# Altium PCB SP7.PcbDoc (part 2 of 4)
Units mm, origin at the board's own origin, x right, y up, seen from the top; angles counter-clockwise.
Board outline 69.1 x 36.6 mm, 6 copper layers (Top, 02_GND, 03_SIG, 04_PWR, 05_SIG, Bottom), stack 1.443 mm thick; 199 components, 178 nets, 906 pads, 778 vias.
Unrouted connection lines stored in the file: 1.
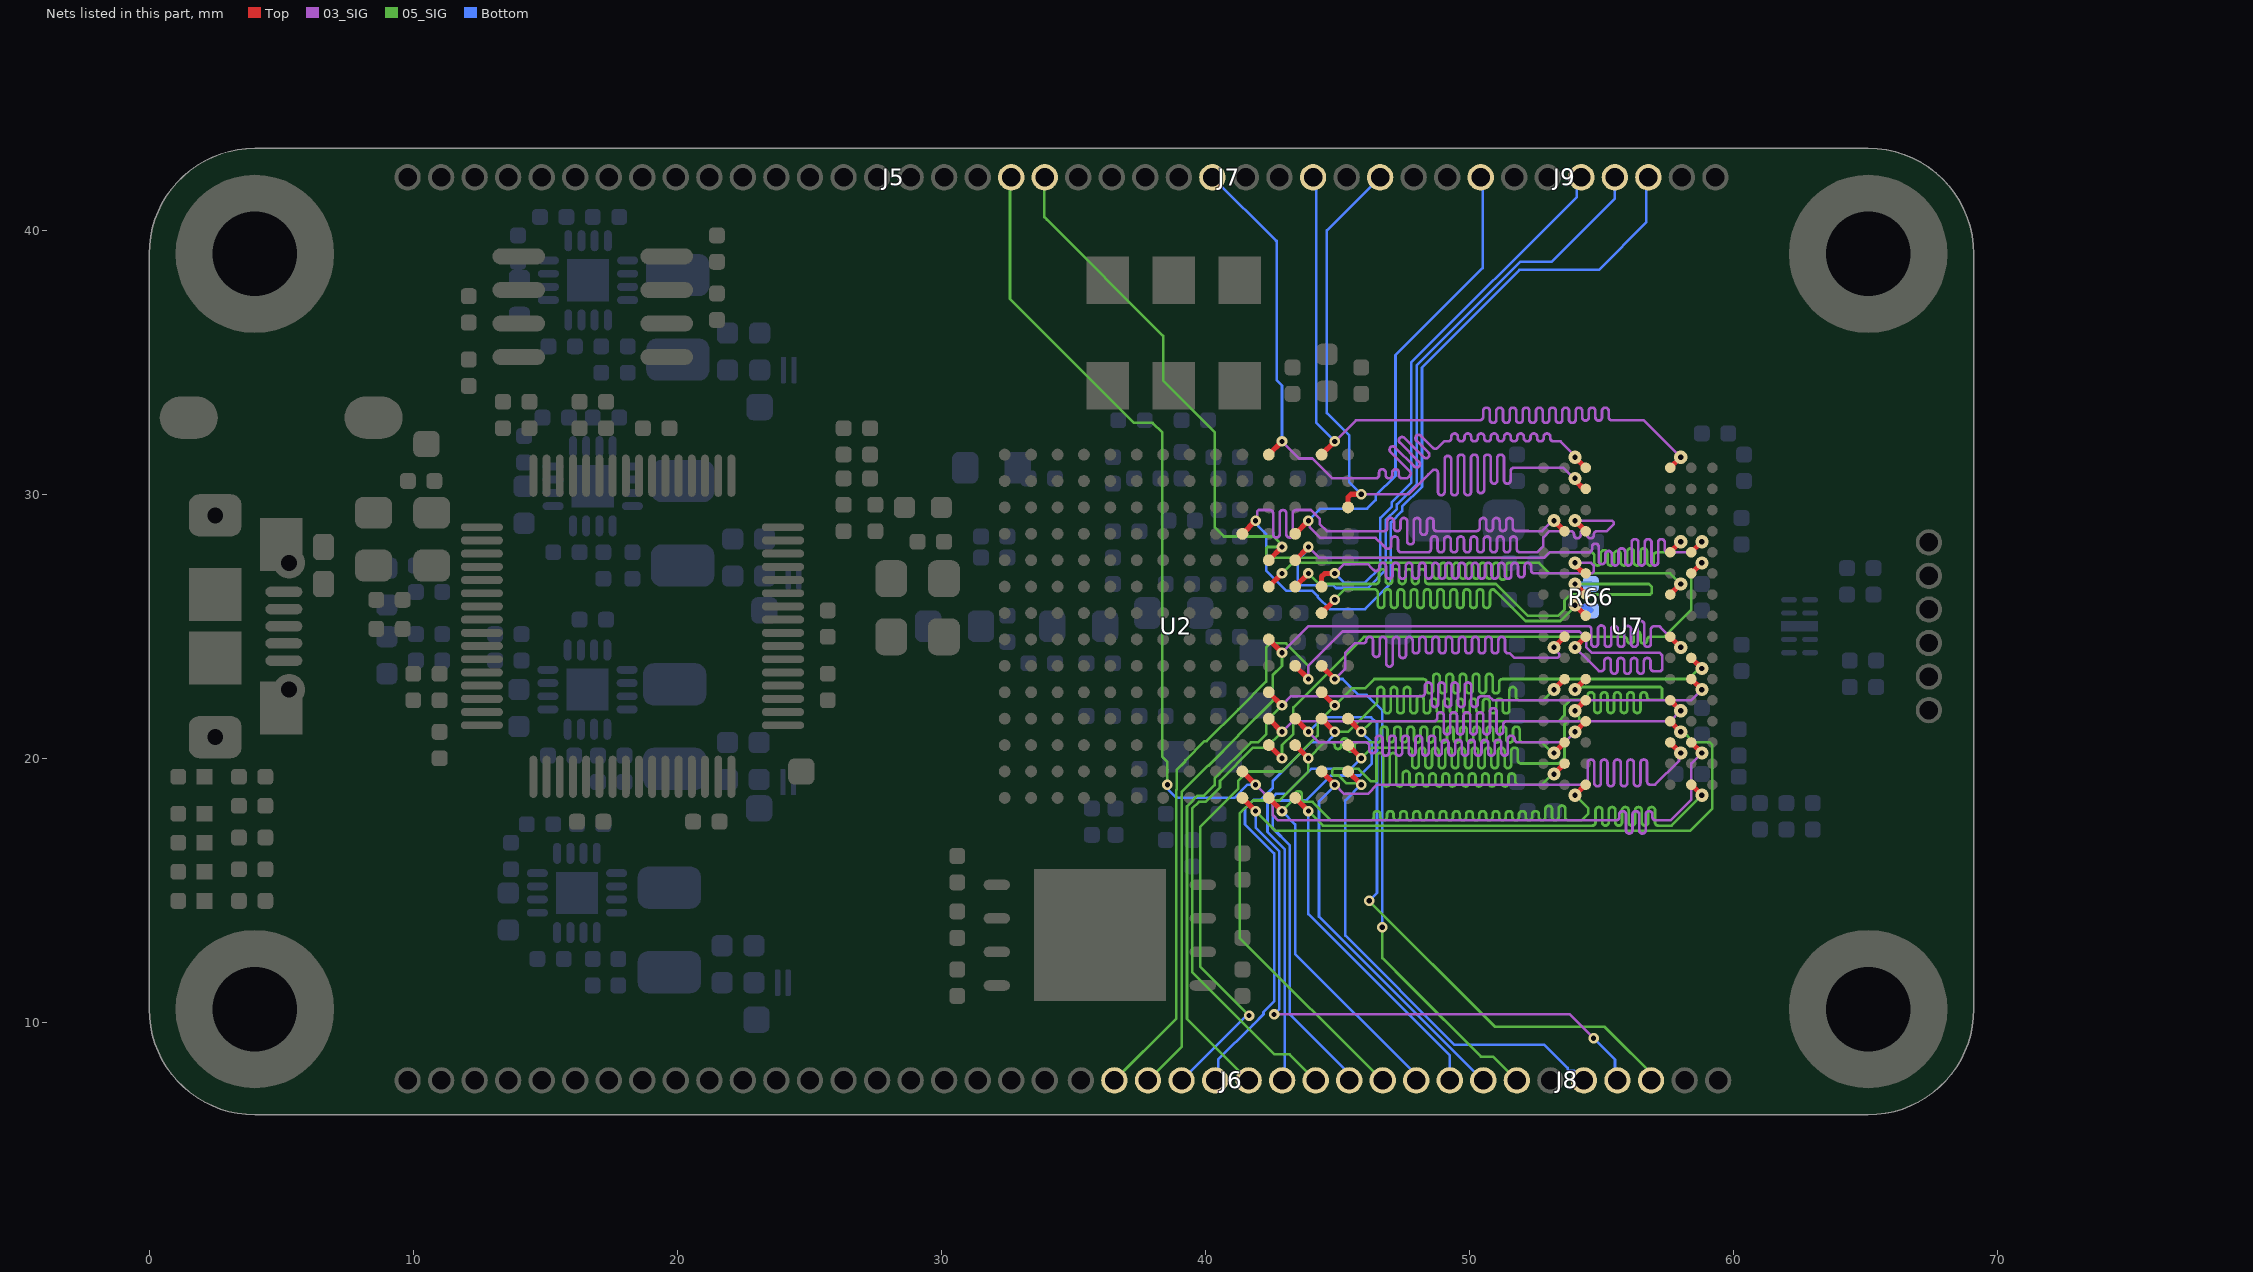
[diagram p6: the nets of this part, all layers, seen from the top]

## Via types
v1: diameter 0.4, hole 0.2, Top to Bottom, tented both sides, 330 vias
v2: diameter 0.5, hole 0.3, Top to Bottom, tented both sides, 183 vias
v3: diameter 0.5/0.5/0.5/0.5 (per signal layer), hole 0.3, Top to Bottom, tented both sides, 138 vias
v4: diameter 0.4/0.5/0.5/0.5 (per signal layer), hole 0.2, Top to Bottom, tented both sides, 91 vias
v5: diameter 0.8, hole 0.5, Top to Bottom, 32 vias
v6: diameter 0.7/0.5/0.5/0.5 (per signal layer), hole 0.5, Top to Bottom, tented both sides, 4 vias

## Nets (pads, with @x,y where several pads share a name; then routed paths per layer and width w, separated by ;. In a path a pad name is that pad's centre, name@x,y a point inside that pad or via, vN(x,y) a via of type N, cw(c..) or ccw(c..) an arc to the next point about the centre after c; other vN are vias at no path point) (continued)
DDR3_A10: J9.5 U2.J2 U7.L7 | length 43.9
  Top w0.2: U2.J2@44.4,26.5 44.4,26.877 44.523,27 v1(44.9,27) ; v4(54,27.4) 54.038,27.362 54.038,27.279 54.217,27.1 54.246,27.1 54.346,27 U7.L7@54.4,27
  03_SIG w0.1: v1(44.9,27) 45.25,27.35 46.15,27.35 46.286,27.214 46.373,27.127 ccw(c46.461,27.216) 46.586,27.216 46.586,27.275 cw(c46.711,27.275) 46.711,27.4 cw(c46.711,27.275) 46.836,27.275 46.836,26.925 ccw(c46.961,26.925) 46.961,26.8 ccw(c46.961,26.925) 47.086,26.925 47.086,27.275 cw(c47.211,27.275) 47.211,27.4 cw(c47.211,27.275) 47.336,27.275 47.336,26.925 ccw(c47.461,26.925) 47.461,26.8 ccw(c47.461,26.925) 47.586,26.925 47.586,27.275 cw(c47.711,27.275) 47.711,27.4 cw(c47.711,27.275) 47.836,27.275 47.836,26.925 ccw(c47.961,26.925) 47.961,26.8 ccw(c47.961,26.925) 48.086,26.925 48.086,27.275 cw(c48.211,27.275) 48.211,27.4 cw(c48.211,27.275) 48.336,27.275 48.336,26.925 ccw(c48.461,26.925) 48.461,26.8 ccw(c48.461,26.925) 48.586,26.925 48.586,27.275 cw(c48.711,27.275) 48.711,27.4 cw(c48.711,27.275) 48.836,27.275 48.836,26.925 ccw(c48.961,26.925) 48.961,26.8 ccw(c48.961,26.925) 49.086,26.925 49.086,27.275 cw(c49.211,27.275) 49.211,27.4 cw(c49.211,27.275) 49.336,27.275 49.336,26.925 ccw(c49.461,26.925) 49.461,26.8 ccw(c49.461,26.925) 49.586,26.925 49.586,27.275 cw(c49.711,27.275) 49.711,27.4 cw(c49.711,27.275) 49.836,27.275 49.836,26.925 ccw(c49.961,26.925) 49.961,26.8 ccw(c49.961,26.925) 50.086,26.925 50.086,27.275 cw(c50.211,27.275) 50.211,27.4 cw(c50.211,27.275) 50.336,27.275 50.336,26.925 ccw(c50.461,26.925) 50.461,26.8 ccw(c50.461,26.925) 50.586,26.925 50.586,27.275 cw(c50.711,27.275) 50.711,27.4 cw(c50.711,27.275) 50.836,27.275 50.836,26.925 ccw(c50.961,26.925) 50.961,26.8 ccw(c50.961,26.925) 51.086,26.925 51.086,27.275 cw(c51.211,27.275) 51.211,27.4 cw(c51.211,27.275) 51.336,27.275 51.336,26.925 ccw(c51.461,26.925) 51.461,26.8 ccw(c51.461,26.925) 51.586,26.925 51.586,27.275 cw(c51.711,27.275) 51.711,27.4 cw(c51.711,27.275) 51.836,27.275 51.836,26.977 ccw(c51.961,26.977) 51.961,26.852 ccw(c51.961,26.977) 52.086,26.977 52.086,27.275 cw(c52.211,27.275) 52.211,27.4 cw(c52.211,27.275) 52.336,27.275 52.336,27.125 ccw(c52.461,27.125) 52.461,27 53.033,27 53.917,27 54.641,27 54.7,27.059 54.7,27.3 54.6,27.4 v4(54,27.4)
  Bottom w0.1: v1(44.9,27) 45.25,26.65 46.045,26.65 46.625,27.23 46.625,29.099 47.05,29.524 47.05,29.694 47.8,30.444 47.8,35 54.063,41.263 54.063,41.828 J9.5@54.235,42
DDR3_A11: J7.1 U2.M1 U7.R7 | length 37.7
  Top w0.2: U2.M1@45.4,29.5 45.4,29.883 45.517,30 v1(45.9,30) ; v4(54,30.6) 54.038,30.562 54.038,30.479 54.217,30.3 54.246,30.3 54.346,30.2 U7.R7@54.4,30.2
  03_SIG w0.1: v1(45.9,30) 45.902,29.998 47.698,29.998 48.444,30.744 48.593,30.893 cw(c48.682,30.805) 48.807,30.805 48.807,30.086 ccw(c48.932,30.086) 48.932,29.961 ccw(c48.932,30.086) 49.057,30.086 49.057,31.325 cw(c49.182,31.325) 49.182,31.45 cw(c49.182,31.325) 49.307,31.325 49.307,30.086 ccw(c49.432,30.086) 49.432,29.961 ccw(c49.432,30.086) 49.557,30.086 49.557,31.375 cw(c49.682,31.375) 49.682,31.5 cw(c49.682,31.375) 49.807,31.375 49.807,30.086 ccw(c49.932,30.086) 49.932,29.961 ccw(c49.932,30.086) 50.057,30.086 50.057,31.375 cw(c50.182,31.375) 50.182,31.5 cw(c50.182,31.375) 50.307,31.375 50.307,30.165 ccw(c50.432,30.165) 50.432,30.04 ccw(c50.432,30.165) 50.557,30.165 50.557,31.375 cw(c50.682,31.375) 50.682,31.5 cw(c50.682,31.375) 50.807,31.375 50.807,30.525 ccw(c50.932,30.525) 50.932,30.4 ccw(c50.932,30.525) 51.057,30.525 51.057,31.375 cw(c51.182,31.375) 51.182,31.5 cw(c51.182,31.375) 51.307,31.375 51.307,30.525 ccw(c51.432,30.525) 51.432,30.4 ccw(c51.432,30.525) 51.557,30.525 51.557,30.875 cw(c51.682,30.875) 51.682,31 52,31 53.551,31 53.951,30.6 v4(54,30.6)
  Bottom w0.1: v1(45.9,30) 45.445,30.455 45.445,30.538 45.45,30.543 45.45,32.228 44.6,33.078 44.6,39.985 J7.1@46.615,42
DDR3_A12: J9.8 U2.L3 U7.N7 | length 40.9
  Top w0.2: U2.L3@43.4,28.5 v1(43.9,29) ; v4(54,29) U7.N7@54.4,28.6
  03_SIG w0.1: v1(43.9,29) 43.949,28.951 43.949,28.754 44.353,28.35 46.45,28.35 46.741,28.059 46.828,27.972 ccw(c46.916,28.061) 47.041,28.061 47.041,28.275 cw(c47.166,28.275) 47.166,28.4 cw(c47.166,28.275) 47.291,28.275 47.291,27.925 ccw(c47.416,27.925) 47.416,27.8 48.416,27.8 ccw(c48.416,27.925) 48.541,27.925 48.541,28.28 cw(c48.666,28.28) 48.666,28.405 cw(c48.666,28.28) 48.791,28.28 48.791,27.925 ccw(c48.916,27.925) 48.916,27.8 ccw(c48.916,27.925) 49.041,27.925 49.041,28.275 cw(c49.166,28.275) 49.166,28.4 cw(c49.166,28.275) 49.291,28.275 49.291,27.925 ccw(c49.416,27.925) 49.416,27.8 ccw(c49.416,27.925) 49.541,27.925 49.541,28.275 cw(c49.666,28.275) 49.666,28.4 cw(c49.666,28.275) 49.791,28.275 49.791,27.925 ccw(c49.916,27.925) 49.916,27.8 ccw(c49.916,27.925) 50.041,27.925 50.041,28.275 cw(c50.166,28.275) 50.166,28.4 cw(c50.166,28.275) 50.291,28.275 50.291,27.925 ccw(c50.416,27.925) 50.416,27.8 ccw(c50.416,27.925) 50.541,27.925 50.541,28.276 cw(c50.666,28.276) 50.666,28.401 cw(c50.666,28.276) 50.791,28.276 50.791,27.925 ccw(c50.916,27.925) 50.916,27.8 ccw(c50.916,27.925) 51.041,27.925 51.041,28.279 cw(c51.166,28.279) 51.166,28.404 cw(c51.166,28.279) 51.291,28.279 51.291,27.925 ccw(c51.416,27.925) 51.416,27.8 ccw(c51.416,27.925) 51.541,27.925 51.541,28.275 cw(c51.666,28.275) 51.666,28.4 cw(c51.666,28.275) 51.791,28.275 51.791,27.925 ccw(c51.916,27.925) 51.916,27.8 52.292,27.8 52.566,27.8 52.8,28.034 52.8,28.366 53.034,28.6 53.834,28.6 cw(c53.834,28.475) 53.959,28.475 53.959,28.455 ccw(c54.084,28.455) 54.084,28.33 ccw(c54.084,28.455) 54.209,28.455 54.209,28.519 cw(c54.334,28.519) 54.334,28.644 cw(c54.334,28.519) 54.459,28.519 54.459,28.455 ccw(c54.584,28.455) 54.584,28.33 ccw(c54.584,28.455) 54.709,28.455 54.709,28.475 cw(c54.834,28.475) 54.834,28.6 55.2,28.6 55.372,28.772 55.459,28.859 55.459,28.941 55.4,29 v4(54,29)
  Bottom w0.1: v1(43.9,29) 44.35,29.45 46.025,29.45 46.128,29.45 46.45,29.772 46.45,29.942 47.2,30.692 47.2,35.266 50.5,38.566 J9.8@50.5,42
DDR3_A13: J7.3 U2.P2 U7.T3 | length 34.5
  Top w0.2: U2.P2@44.4,31.5 v1(44.9,32) ; U7.T3@57.6,31 v4(58,31.4)
  03_SIG w0.1: v1(44.9,32) 45.7,32.8 50.344,32.8 50.394,32.8 ccw(c50.394,32.925) 50.519,32.925 50.519,33.153 cw(c50.644,33.153) 50.644,33.278 cw(c50.644,33.153) 50.769,33.153 50.769,32.825 ccw(c50.894,32.825) 50.894,32.7 ccw(c50.894,32.825) 51.019,32.825 51.019,33.153 cw(c51.144,33.153) 51.144,33.278 cw(c51.144,33.153) 51.269,33.153 51.269,32.825 ccw(c51.394,32.825) 51.394,32.7 ccw(c51.394,32.825) 51.519,32.825 51.519,33.153 cw(c51.644,33.153) 51.644,33.278 cw(c51.644,33.153) 51.769,33.153 51.769,32.825 ccw(c51.894,32.825) 51.894,32.7 ccw(c51.894,32.825) 52.019,32.825 52.019,33.153 cw(c52.144,33.153) 52.144,33.278 cw(c52.144,33.153) 52.269,33.153 52.269,32.825 ccw(c52.394,32.825) 52.394,32.7 ccw(c52.394,32.825) 52.519,32.825 52.519,33.153 cw(c52.644,33.153) 52.644,33.278 cw(c52.644,33.153) 52.769,33.153 52.769,32.825 ccw(c52.894,32.825) 52.894,32.7 ccw(c52.894,32.825) 53.019,32.825 53.019,33.153 cw(c53.144,33.153) 53.144,33.278 cw(c53.144,33.153) 53.269,33.153 53.269,32.825 ccw(c53.394,32.825) 53.394,32.7 ccw(c53.394,32.825) 53.519,32.825 53.519,33.153 cw(c53.644,33.153) 53.644,33.278 cw(c53.644,33.153) 53.769,33.153 53.769,32.825 ccw(c53.894,32.825) 53.894,32.7 ccw(c53.894,32.825) 54.019,32.825 54.019,33.153 cw(c54.144,33.153) 54.144,33.278 cw(c54.144,33.153) 54.269,33.153 54.269,32.912 ccw(c54.394,32.912) 54.394,32.787 ccw(c54.394,32.912) 54.519,32.912 54.519,33.153 cw(c54.644,33.153) 54.644,33.278 cw(c54.644,33.153) 54.769,33.153 54.769,32.912 ccw(c54.894,32.912) 54.894,32.787 ccw(c54.894,32.912) 55.019,32.912 55.019,33.153 cw(c55.144,33.153) 55.144,33.278 cw(c55.144,33.153) 55.269,33.153 55.269,32.925 ccw(c55.394,32.925) 55.394,32.8 56,32.8 56.6,32.8 v4(58,31.4)
  Bottom w0.1: J7.3@44.075,42 44.2,41.875 44.2,32.7 v1(44.9,32)
DDR3_A14: J7.6 U2.P4 U7.T7 | length 35.2
  Top w0.2: U2.P4@42.4,31.5 v1(42.9,32) ; v4(54,31.4) U7.T7@54.4,31
  03_SIG w0.1: v1(42.9,32) 43.55,31.35 44.055,31.35 44.805,30.6 45.9,30.6 46.45,30.6 ccw(c46.45,30.725) 46.575,30.725 46.575,30.82 cw(c46.7,30.82) 46.7,30.945 cw(c46.7,30.82) 46.825,30.82 46.825,30.725 ccw(c46.95,30.725) 46.95,30.6 ccw(c46.95,30.725) 47.075,30.725 47.075,30.82 cw(c47.2,30.82) 47.2,30.945 cw(c47.2,30.82) 47.325,30.82 47.325,30.725 ccw(c47.45,30.725) 47.45,30.6 47.641,30.6 47.692,30.651 47.701,30.661 47.737,30.696 ccw(c47.648,30.785) 47.737,30.873 47.01,31.6 cw(c47.098,31.688) 47.01,31.777 cw(c47.098,31.688) 47.187,31.777 47.914,31.05 ccw(c48.002,31.138) 48.09,31.05 ccw(c48.002,31.138) 48.09,31.227 47.363,31.953 cw(c47.452,32.042) 47.363,32.13 cw(c47.452,32.042) 47.54,32.13 48.267,31.403 ccw(c48.355,31.492) 48.444,31.403 ccw(c48.355,31.492) 48.444,31.58 47.989,32.035 cw(c48.077,32.123) 47.989,32.212 cw(c48.077,32.123) 48.166,32.212 48.621,31.757 ccw(c48.709,31.845) 48.797,31.757 49.035,31.994 49.041,32 49.136,32 49.186,32 ccw(c49.186,32.125) 49.311,32.125 49.311,32.175 cw(c49.436,32.175) 49.436,32.3 cw(c49.436,32.175) 49.561,32.175 49.561,32.125 ccw(c49.686,32.125) 49.686,32 ccw(c49.686,32.125) 49.811,32.125 49.811,32.175 cw(c49.936,32.175) 49.936,32.3 cw(c49.936,32.175) 50.061,32.175 50.061,32.125 ccw(c50.186,32.125) 50.186,32 ccw(c50.186,32.125) 50.311,32.125 50.311,32.175 cw(c50.436,32.175) 50.436,32.3 cw(c50.436,32.175) 50.561,32.175 50.561,32.125 ccw(c50.686,32.125) 50.686,32 ccw(c50.686,32.125) 50.811,32.125 50.811,32.175 cw(c50.936,32.175) 50.936,32.3 cw(c50.936,32.175) 51.061,32.175 51.061,32.125 ccw(c51.186,32.125) 51.186,32 ccw(c51.186,32.125) 51.311,32.125 51.311,32.175 cw(c51.436,32.175) 51.436,32.3 cw(c51.436,32.175) 51.561,32.175 51.561,32.125 ccw(c51.686,32.125) 51.686,32 ccw(c51.686,32.125) 51.811,32.125 51.811,32.175 cw(c51.936,32.175) 51.936,32.3 cw(c51.936,32.175) 52.061,32.175 52.061,32.125 ccw(c52.186,32.125) 52.186,32 ccw(c52.186,32.125) 52.311,32.125 52.311,32.175 cw(c52.436,32.175) 52.436,32.3 cw(c52.436,32.175) 52.561,32.175 52.561,32.125 ccw(c52.686,32.125) 52.686,32 ccw(c52.686,32.125) 52.811,32.125 52.811,32.175 cw(c52.936,32.175) 52.936,32.3 cw(c52.936,32.175) 53.061,32.175 53.061,32.125 ccw(c53.186,32.125) 53.186,32 53.435,32 53.449,32 54,31.449 v4(54,31.4)
  Bottom w0.1: J7.6@40.265,42 42.665,39.6 42.7,39.6 42.7,34.317 42.9,34.117 42.9,34 v1(42.9,32)
DDR3_BA0: J9.4 U2.K3 U7.M2 | length 48.6
  Top w0.2: U2.K3@43.4,27.5 v1(43.9,28) ; U7.M2@58.4,27.8 v4(58.8,28.2)
  03_SIG w0.1: v1(43.9,28) 44.3,27.6 52.834,27.6 53.034,27.8 54.468,27.8 54.518,27.8 ccw(c54.518,27.925) 54.643,27.925 54.643,28.005 cw(c54.768,28.005) 54.768,28.13 cw(c54.768,28.005) 54.893,28.005 54.893,27.478 ccw(c55.018,27.478) 55.018,27.353 ccw(c55.018,27.478) 55.143,27.478 55.143,27.725 cw(c55.268,27.725) 55.268,27.85 cw(c55.268,27.725) 55.393,27.725 55.393,27.425 ccw(c55.518,27.425) 55.518,27.3 ccw(c55.518,27.425) 55.643,27.425 55.643,27.823 cw(c55.768,27.823) 55.768,27.948 cw(c55.768,27.823) 55.893,27.823 55.893,27.425 ccw(c56.018,27.425) 56.018,27.3 ccw(c56.018,27.425) 56.143,27.425 56.143,28.175 cw(c56.268,28.175) 56.268,28.3 cw(c56.268,28.175) 56.393,28.175 56.393,27.425 ccw(c56.518,27.425) 56.518,27.3 ccw(c56.518,27.425) 56.643,27.425 56.643,28.175 cw(c56.768,28.175) 56.768,28.3 cw(c56.768,28.175) 56.893,28.175 56.893,27.425 ccw(c57.018,27.425) 57.018,27.3 ccw(c57.018,27.425) 57.143,27.425 57.143,28.175 cw(c57.268,28.175) 57.268,28.3 cw(c57.268,28.175) 57.393,28.175 57.393,27.925 ccw(c57.518,27.925) 57.518,27.8 57.8,27.8 58.4,27.8 v4(58.8,28.2)
  Bottom w0.1: v1(43.9,28) 43.9,27.919 43.803,27.821 43.803,27.803 43.5,27.5 43.5,26.7 43.65,26.55 44.85,26.55 44.95,26.45 46.15,26.45 46.825,27.125 46.825,29.016 47.25,29.441 47.25,29.611 48,30.361 48,34.883 51.917,38.8 53.1,38.8 55.505,41.205 J9.4@55.505,42
DDR3_BA1: J9.3 U2.L5 U7.N8 | length 52.5
  Top w0.2: U2.L5@41.4,28.5 v1(41.9,29) ; v4(53.2,29) U7.N8@53.6,28.6
  03_SIG w0.1: 41.958,29.209 41.958,29.341 42.017,29.4 42.3,29.4 42.438,29.4 cw(c42.438,29.275) 42.563,29.275 42.563,28.482 ccw(c42.688,28.482) 42.688,28.357 ccw(c42.688,28.482) 42.813,28.482 42.813,29.275 cw(c42.938,29.275) 42.938,29.4 cw(c42.938,29.275) 43.063,29.275 43.063,28.482 ccw(c43.188,28.482) 43.188,28.357 ccw(c43.188,28.482) 43.313,28.482 43.313,29.275 cw(c43.438,29.275) 43.438,29.4 43.691,29.4 44,29.4 44.328,29.072 44.328,28.872 44.6,28.6 46.715,28.6 46.765,28.6 ccw(c46.765,28.725) 46.89,28.725 46.89,28.975 cw(c47.015,28.975) 47.015,29.1 cw(c47.015,28.975) 47.14,28.975 47.14,28.725 ccw(c47.265,28.725) 47.265,28.6 ccw(c47.265,28.725) 47.39,28.725 47.39,28.975 cw(c47.515,28.975) 47.515,29.1 cw(c47.515,28.975) 47.64,28.975 47.64,28.225 ccw(c47.765,28.225) 47.765,28.1 ccw(c47.765,28.225) 47.89,28.225 47.89,28.975 cw(c48.015,28.975) 48.015,29.1 cw(c48.015,28.975) 48.14,28.975 48.14,28.587 ccw(c48.265,28.587) 48.265,28.462 ccw(c48.265,28.587) 48.39,28.587 48.39,28.975 cw(c48.515,28.975) 48.515,29.1 cw(c48.515,28.975) 48.64,28.975 48.64,28.726 ccw(c48.765,28.726) 48.765,28.601 50.265,28.603 ccw(c50.265,28.728) 50.39,28.728 50.39,28.975 cw(c50.515,28.975) 50.515,29.1 cw(c50.515,28.975) 50.64,28.975 50.64,28.726 ccw(c50.765,28.726) 50.765,28.601 ccw(c50.765,28.726) 50.89,28.726 50.89,28.975 cw(c51.015,28.975) 51.015,29.1 cw(c51.015,28.975) 51.14,28.975 51.14,28.729 ccw(c51.265,28.729) 51.265,28.604 ccw(c51.265,28.729) 51.39,28.729 51.39,28.975 cw(c51.515,28.975) 51.515,29.1 cw(c51.515,28.975) 51.64,28.975 51.64,28.729 ccw(c51.765,28.729) 51.765,28.604 52.23,28.604 52.234,28.6 52.751,28.6 53.151,29 v4(53.2,29)
  Bottom w0.1: v1(41.9,29) 41.9,28.919 41.997,28.821 41.997,28.803 42.3,28.5 42.3,27.105 42.755,26.65 43.055,26.35 44.045,26.35 44.25,26.145 44.25,26.111 44.711,25.65 46.045,25.65 46.921,26.526 47.025,26.63 47.025,28.933 47.45,29.358 47.45,29.528 48.2,30.278 48.2,34.8 51.897,38.497 54.897,38.497 56.7,40.3 J9.3@56.7,41.8
DDR3_BA2: J5.1 U2.K4 U7.M3 | length 41.8
  Top w0.2: U2.K4@42.4,27.5 v1(42.9,28) ; U7.M3@57.6,27.8 v4(58,28.2)
  05_SIG w0.1: J5.1@33.9,42 33.9,40.5 34,40.4 38.4,36 38.4,34.3 40.35,32.35 40.35,28.75 40.7,28.4 42.581,28.4 42.9,28.081 v1(42.9,28) 42.359,28 42.3,27.941 42.3,27.659 42.359,27.6 52.834,27.6 53.034,27.8 54.3,27.8 54.6,27.8 cw(c54.6,27.675) 54.725,27.675 54.725,27.425 ccw(c54.85,27.425) 54.85,27.3 ccw(c54.85,27.425) 54.975,27.425 54.975,27.755 cw(c55.1,27.755) 55.1,27.88 cw(c55.1,27.755) 55.225,27.755 55.225,27.425 ccw(c55.35,27.425) 55.35,27.3 ccw(c55.35,27.425) 55.475,27.425 55.475,27.725 cw(c55.6,27.725) 55.6,27.85 cw(c55.6,27.725) 55.725,27.725 55.725,27.425 ccw(c55.85,27.425) 55.85,27.3 ccw(c55.85,27.425) 55.975,27.425 55.975,27.823 cw(c56.1,27.823) 56.1,27.948 cw(c56.1,27.823) 56.225,27.823 56.225,27.425 ccw(c56.35,27.425) 56.35,27.3 ccw(c56.35,27.425) 56.475,27.425 56.475,27.823 cw(c56.6,27.823) 56.6,27.948 cw(c56.6,27.823) 56.725,27.823 56.725,27.425 ccw(c56.85,27.425) 56.85,27.3 ccw(c56.85,27.425) 56.975,27.425 56.975,27.675 cw(c57.1,27.675) 57.1,27.8 57.6,27.8 v4(58,28.2)
  Bottom w0.1: J5.1@33.902,41.987 J5.1@33.915,42
DDR3_CAS_N: U2.J4 U7.K3 | length 22.9
  Top w0.2: U2.J4@42.4,26.5 v1(42.9,27) ; U7.K3@57.6,26.2 v4(58,26.6)
  05_SIG w0.1: v1(42.9,27) 43.3,27.4 48.206,27.4 48.506,27.4 cw(c48.506,27.275) 48.631,27.275 48.631,26.925 ccw(c48.756,26.925) 48.756,26.8 ccw(c48.756,26.925) 48.881,26.925 48.881,27.275 cw(c49.006,27.275) 49.006,27.4 cw(c49.006,27.275) 49.131,27.275 49.131,26.925 ccw(c49.256,26.925) 49.256,26.8 ccw(c49.256,26.925) 49.381,26.925 49.381,27.275 cw(c49.506,27.275) 49.506,27.4 cw(c49.506,27.275) 49.631,27.275 49.631,26.925 ccw(c49.756,26.925) 49.756,26.8 ccw(c49.756,26.925) 49.881,26.925 49.881,27.275 cw(c50.006,27.275) 50.006,27.4 cw(c50.006,27.275) 50.131,27.275 50.131,26.925 ccw(c50.256,26.925) 50.256,26.8 ccw(c50.256,26.925) 50.381,26.925 50.381,27.275 cw(c50.506,27.275) 50.506,27.4 cw(c50.506,27.275) 50.631,27.275 50.631,26.925 ccw(c50.756,26.925) 50.756,26.8 ccw(c50.756,26.925) 50.881,26.925 50.881,27.275 cw(c51.006,27.275) 51.006,27.4 cw(c51.006,27.275) 51.131,27.275 51.131,26.89 ccw(c51.256,26.89) 51.256,26.765 ccw(c51.256,26.89) 51.381,26.89 51.381,27.275 cw(c51.506,27.275) 51.506,27.4 52,27.4 52.634,27.4 53.034,27 57.6,27 v4(58,26.6)
DDR3_CK_N: R66.1 U2.J3 U7.K7 | length 22.9
  Top w0.2: U2.J3@43.4,26.5 v1(43.9,27) ; v4(54,26.6) U7.K7@54.4,26.2
  05_SIG w0.1: v1(43.9,27) 44.3,26.6 46.4,26.6 46.45,26.6 ccw(c46.45,26.725) 46.575,26.725 46.575,27.038 cw(c46.7,27.038) 46.7,27.163 cw(c46.7,27.038) 46.825,27.038 46.825,26.725 ccw(c46.95,26.725) 46.95,26.6 ccw(c46.95,26.725) 47.075,26.725 47.075,27.038 cw(c47.2,27.038) 47.2,27.163 cw(c47.2,27.038) 47.325,27.038 47.325,26.725 ccw(c47.45,26.725) 47.45,26.6 ccw(c47.45,26.725) 47.575,26.725 47.575,27.038 cw(c47.7,27.038) 47.7,27.163 cw(c47.7,27.038) 47.825,27.038 47.825,26.725 ccw(c47.95,26.725) 47.95,26.6 ccw(c47.95,26.725) 48.075,26.725 48.075,27.038 cw(c48.2,27.038) 48.2,27.163 cw(c48.2,27.038) 48.325,27.038 48.325,26.725 ccw(c48.45,26.725) 48.45,26.6 48.829,26.6 51.002,26.6 52.202,25.4 53.366,25.4 53.6,25.634 53.6,25.966 53.834,26.2 56.841,26.2 56.9,26.259 56.9,26.5 56.8,26.6 v4(54,26.6)
  Bottom w0.2: v4@54,26.6 R66.1@54.6,26.6
DDR3_CK_P: R66.2 U2.H2 U7.J7 | length 22.8
  Top w0.2: U2.H2@44.4,25.5 v1(44.9,26) ; v4(54,25.8) U7.J7@54.4,25.4
  05_SIG w0.1: v1(44.9,26) 44.9,26.034 45.266,26.4 46.1,26.4 46.4,26.4 cw(c46.4,26.275) 46.525,26.275 46.525,25.817 ccw(c46.65,25.817) 46.65,25.692 ccw(c46.65,25.817) 46.775,25.817 46.775,26.275 cw(c46.9,26.275) 46.9,26.4 cw(c46.9,26.275) 47.025,26.275 47.025,25.817 ccw(c47.15,25.817) 47.15,25.692 ccw(c47.15,25.817) 47.275,25.817 47.275,26.275 cw(c47.4,26.275) 47.4,26.4 cw(c47.4,26.275) 47.525,26.275 47.525,25.817 ccw(c47.65,25.817) 47.65,25.692 ccw(c47.65,25.817) 47.775,25.817 47.775,26.275 cw(c47.9,26.275) 47.9,26.4 cw(c47.9,26.275) 48.025,26.275 48.025,25.817 ccw(c48.15,25.817) 48.15,25.692 ccw(c48.15,25.817) 48.275,25.817 48.275,26.275 cw(c48.4,26.275) 48.4,26.4 cw(c48.4,26.275) 48.525,26.275 48.525,25.817 ccw(c48.65,25.817) 48.65,25.692 ccw(c48.65,25.817) 48.775,25.817 48.775,26.275 cw(c48.9,26.275) 48.9,26.4 cw(c48.9,26.275) 49.025,26.275 49.025,25.817 ccw(c49.15,25.817) 49.15,25.692 ccw(c49.15,25.817) 49.275,25.817 49.275,26.275 cw(c49.4,26.275) 49.4,26.4 cw(c49.4,26.275) 49.525,26.275 49.525,25.817 ccw(c49.65,25.817) 49.65,25.692 ccw(c49.65,25.817) 49.775,25.817 49.775,26.275 cw(c49.9,26.275) 49.9,26.4 cw(c49.9,26.275) 50.025,26.275 50.025,25.817 ccw(c50.15,25.817) 50.15,25.692 ccw(c50.15,25.817) 50.275,25.817 50.275,26.275 cw(c50.4,26.275) 50.4,26.4 cw(c50.4,26.275) 50.525,26.275 50.525,25.817 ccw(c50.65,25.817) 50.65,25.692 ccw(c50.65,25.817) 50.775,25.817 50.775,26.275 cw(c50.9,26.275) 50.9,26.4 50.919,26.4 51.2,26.119 52.119,25.2 53.449,25.2 54,25.751 v4(54,25.8)
  Bottom w0.2: v4(54,25.8) 54.057,25.743 54.458,25.743 R66.2@54.6,25.6
DDR3_CS_N: U2.C4 U7.L2 | length 22.9
  Top w0.2: U2.C4@42.4,20.5 v1(42.9,20) ; U7.L2@58.4,27 v4(58.8,27.4)
  05_SIG w0.1: v1(42.9,20) 42.9,20.495 43.328,20.922 43.328,21.928 46,24.6 55.55,24.6 55.85,24.6 cw(c55.85,24.475) 55.975,24.475 55.975,24.471 ccw(c56.1,24.471) 56.1,24.346 ccw(c56.1,24.471) 56.225,24.471 56.225,24.68 cw(c56.35,24.68) 56.35,24.805 cw(c56.35,24.68) 56.475,24.68 56.475,24.471 ccw(c56.6,24.471) 56.6,24.346 ccw(c56.6,24.471) 56.725,24.471 56.725,24.475 cw(c56.85,24.475) 56.85,24.6 57.2,24.6 57.366,24.6 58.4,25.634 58.4,27 v4(58.8,27.4)
DDR3_DM0: J6.7 U2.C1 U7.E7 | length 37.8
  Top w0.2: U2.C1@45.4,20.5 v1(45.9,20) ; v4(54,21.8) U7.E7@54.4,22.2
  05_SIG w0.1: v1(45.9,20) 46.3,20.4 47.706,20.4 cw(c47.706,20.275) 47.831,20.275 47.831,19.751 ccw(c47.956,19.751) 47.956,19.626 ccw(c47.956,19.751) 48.081,19.751 48.081,20.275 cw(c48.206,20.275) 48.206,20.4 cw(c48.206,20.275) 48.331,20.275 48.331,19.751 ccw(c48.456,19.751) 48.456,19.626 ccw(c48.456,19.751) 48.581,19.751 48.581,20.275 cw(c48.706,20.275) 48.706,20.4 cw(c48.706,20.275) 48.831,20.275 48.831,19.751 ccw(c48.956,19.751) 48.956,19.626 ccw(c48.956,19.751) 49.081,19.751 49.081,20.275 cw(c49.206,20.275) 49.206,20.4 cw(c49.206,20.275) 49.331,20.275 49.331,19.751 ccw(c49.456,19.751) 49.456,19.626 ccw(c49.456,19.751) 49.581,19.751 49.581,20.275 cw(c49.706,20.275) 49.706,20.4 cw(c49.706,20.275) 49.831,20.275 49.831,19.751 ccw(c49.956,19.751) 49.956,19.626 ccw(c49.956,19.751) 50.081,19.751 50.081,20.275 cw(c50.206,20.275) 50.206,20.4 cw(c50.206,20.275) 50.331,20.275 50.331,19.751 ccw(c50.456,19.751) 50.456,19.626 ccw(c50.456,19.751) 50.581,19.751 50.581,20.275 cw(c50.706,20.275) 50.706,20.4 cw(c50.706,20.275) 50.831,20.275 50.831,19.751 ccw(c50.956,19.751) 50.956,19.626 ccw(c50.956,19.751) 51.081,19.751 51.081,20.275 cw(c51.206,20.275) 51.206,20.4 cw(c51.206,20.275) 51.331,20.275 51.331,19.751 ccw(c51.456,19.751) 51.456,19.626 ccw(c51.456,19.751) 51.581,19.751 51.581,20.275 cw(c51.706,20.275) 51.706,20.4 cw(c51.706,20.275) 51.831,20.275 51.831,19.925 ccw(c51.956,19.925) 51.956,19.8 52.3,19.8 53.366,19.8 53.6,20.034 53.6,21.283 53.717,21.4 54.1,21.4 54.159,21.459 54.159,21.541 54,21.7 v4(54,21.8)